# Allegro board BeagleV-FIRE_REV-A_230911.brd (continued)
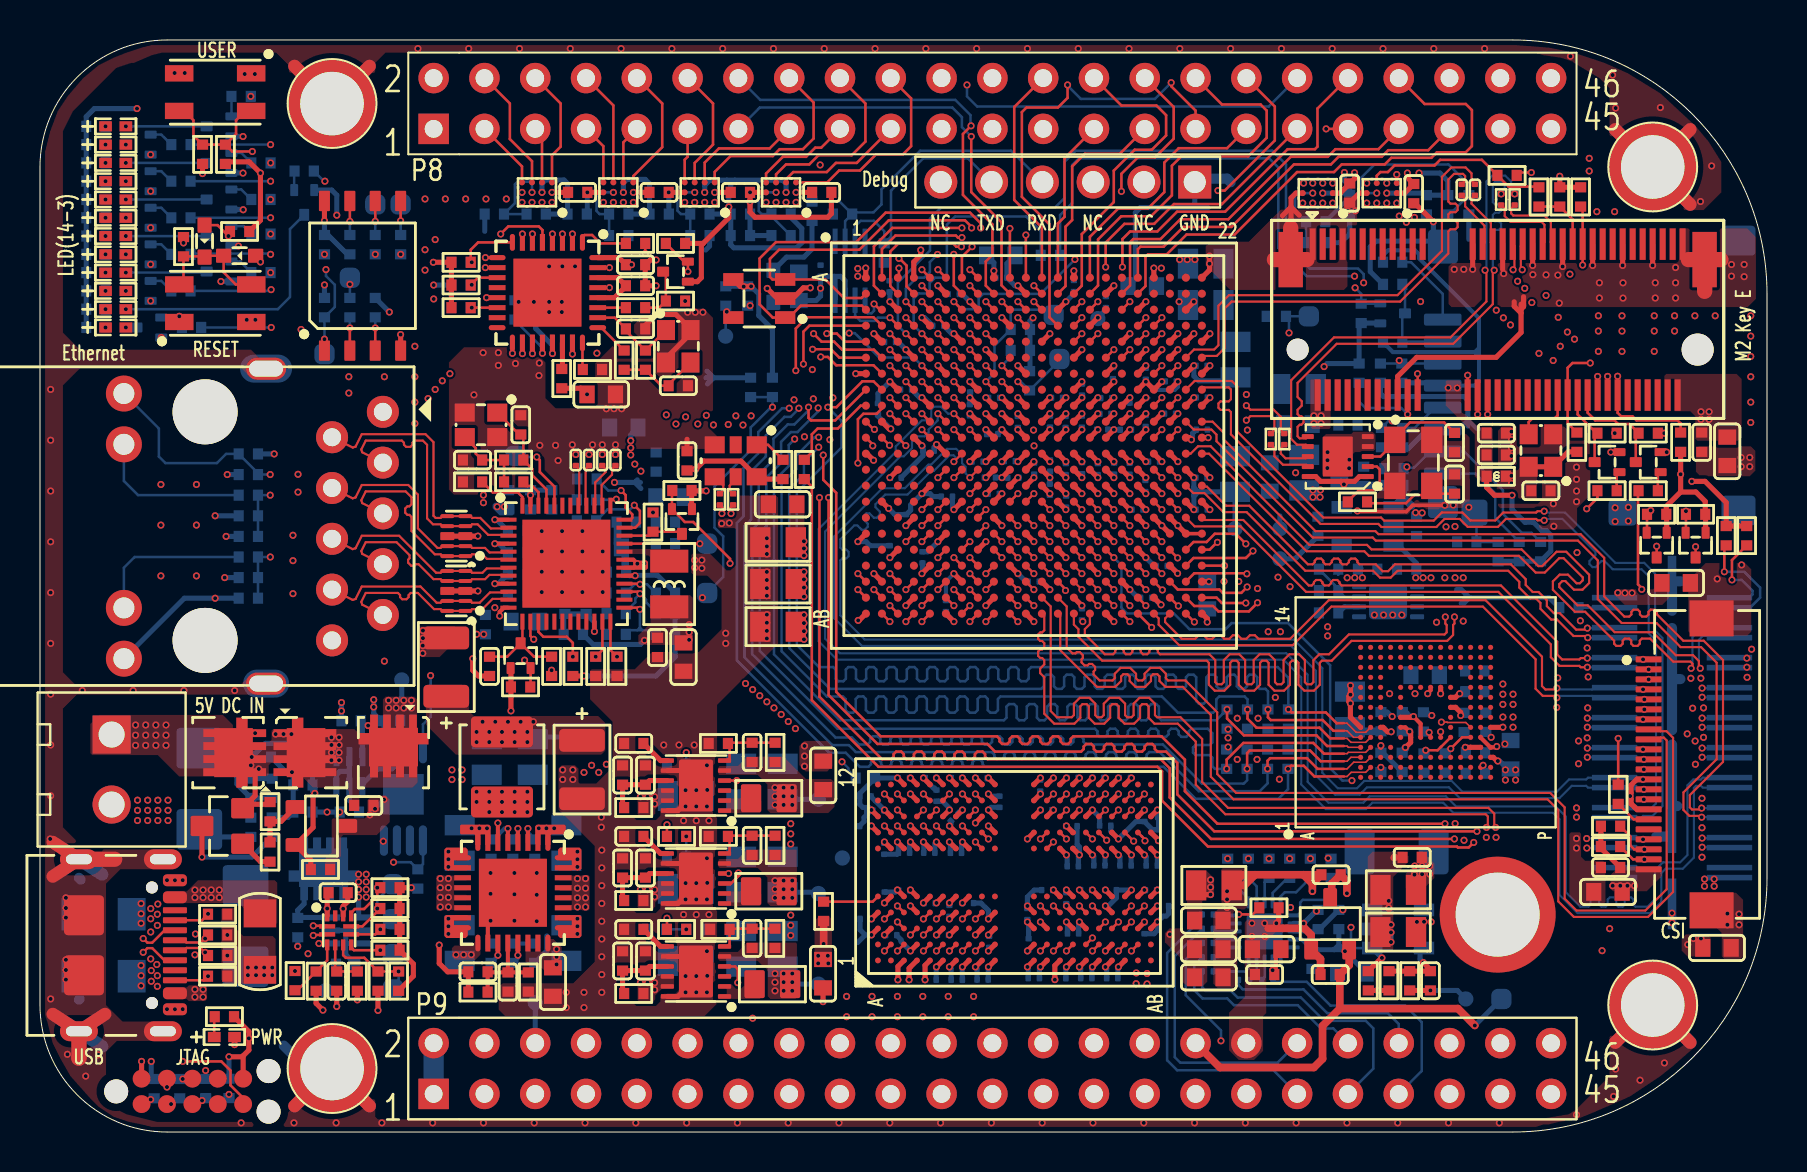
[diagram p0: board, top side]
## Routing (per net, layer and track width the routed paths; a pad name or vN(x,y) marks a point on that pad's centre or on a via; arc(x,y) is an arc through that point) (continued)
M2_PEWAKEN: length 39.7
  TOP w0.127: U1.R14 v1(52.1,31.12) ; v1(77.14,43.36) J9.55 77.14,46.18 R78.2
  L5_SIG2 w0.102: v1(77.14,43.36) 77.14,38.99 76.38,38.23 69.85,38.23 69.14,37.52 68.43,37.52 68.02,37.92 53.56,37.92 52.5,36.86 52.5,31.8 52.1,31.4 v1(52.1,31.12)
M2_REFCLK_N: length 23.5
  TOP w0.107: U38.7 63.31,34.37 62.86,34.37 62.57,34.66 62.57,37.59 64.71,39.74 70.53,39.74 72.33,41.53 72.33,43.03 v1(72.26,43.1)
  BOTTOM w0.107: v1(73.74,46.91) 73.56,47.09 73.56,47.53 73.27,47.83 72.62,47.83 72.33,47.53 72.33,43.17 v1(72.26,43.1)
M2_REFCLK_P: length 23.6
  TOP w0.107: v1(72.72,43.1) 72.65,43.03 72.65,41.4 70.67,39.42 64.84,39.42 62.89,37.46 62.89,36.76 63.09,36.55 63.09,36.32 62.89,36.12 62.89,35.9 62.99,35.8 63.08,35.8 63.18,35.69 63.18,35.48 63.08,35.37 62.99,35.37 62.89,35.26 62.89,34.8 62.99,34.69 63.31,34.69 U38.6
  BOTTOM w0.107: v1(72.72,43.1) 72.65,43.17 72.65,45.01 72.76,45.11 72.96,45.11 73.06,45.22 73.06,45.43 72.96,45.54 72.76,45.54 72.65,45.65 72.65,45.86 72.76,45.97 72.96,45.97 73.06,46.07 73.06,46.29 72.96,46.39 72.76,46.39 72.65,46.5 72.65,47.4 72.76,47.51 73.14,47.51 73.24,47.4 73.24,47.09 v1(73.07,46.91)
M2_UART_CTS: length 27.6
  TOP w0.127: U1.U14 v1(52.1,29.52) ; J9.34 v1(71.89,35.89)
  L3_SIG1 w0.102: v1(71.89,35.89) 71.89,36.21 71.76,36.35 69.57,36.35 69.19,36.73 63.19,36.73 62.76,36.31 62.76,34.56 61.35,33.15 55.46,33.15 55.46,33.14 52.73,33.14 52.49,32.91 52.49,29.91 52.1,29.52 v1(52.1,29.52)
M2_UART_RTS: length 30
  TOP w0.127: J9.36 v1(72.39,35.89) ; U1.U13 v1(51.3,29.52)
  L3_SIG1 w0.102: v1(72.39,35.89) 72.39,36.27 71.96,36.7 69.72,36.7 69.34,37.08 63.04,37.08 62.41,36.45 62.41,34.71 61.2,33.5 57.45,33.5 57.05,33.91 51.92,33.91 51.71,33.71 51.71,29.94 v1(51.3,29.52)
M2_UART_RXD: length 26.6
  TOP w0.127: J9.22 68.89,37.91 v1(68.88,37.92) ; U1.T13 v1(51.3,30.32)
  L3_SIG1 w0.102: v1(68.88,37.92) 68.88,37.64 68.68,37.44 62.89,37.44 62.05,36.6 62.05,34.85 61.06,33.86 57.6,33.86 57.2,34.26 51.26,34.26 50.9,33.91 50.9,30.99 51.3,30.59 v1(51.3,30.32)
M2_UART_TXD: length 29.1
  TOP w0.127: J9.32 v1(71.39,37.84) ; U1.R12 v1(50.5,31.12)
  L3_SIG1 w0.102: v1(71.39,37.84) 70.98,38.25 68.59,38.25 68.13,37.8 62.74,37.8 61.67,36.72 61.67,34.98 61.32,34.62 60.33,34.62 59.74,35.2 57.45,35.2 56.87,34.62 51.06,34.62 50.12,33.68 50.12,33.65 50.09,33.62 50.09,31.53 v1(50.5,31.12)
M2_UART_WAKEN: length 25.4
  TOP w0.127: U1.T15 v1(52.9,30.32) ; v1(68.39,35.89) J9.20
  L3_SIG1 w0.102: v1(68.39,35.89) 68.39,36.27 68.29,36.37 63.33,36.37 63.12,36.16 63.12,34.41 61.47,32.77 59.59,32.77 59.13,32.31 53.52,32.31 53.31,32.11 53.31,30.74 v1(52.9,30.32)
  BOTTOM w0.127: R88.2 65.96,36.53 66.28,36.21 68.08,36.21 v1(68.39,35.89)
M2_W_DISABLE1: length 31.7
  TOP w0.127: R95.1 79.91,32.04 79.91,27.39 80.1,27.2 v1(80.1,27.14) ; U1.U19 v1(56.1,29.52)
  L5_SIG2 w0.102: v1(80.1,27.14) 80.1,26.68 79.92,26.51 75.69,26.51 73.97,28.23 63.31,28.23 61.62,29.92 56.5,29.92 v1(56.1,29.52)
M2_W_DISABLE2: length 32.6
  TOP w0.127: R94.1 77.88,31.7 v1(77.34,31.17) ; U1.R15 v1(52.9,31.12)
  L5_SIG2 w0.102: v1(52.9,31.12) 53.16,31.12 53.54,31.5 53.78,31.5 54.08,31.8 54.08,33.91 54.28,34.11 58.93,34.11 63.8,29.24 74.49,29.24 74.75,28.98 v1(76.86,28.98)
  L10_SIG3 w0.102: v1(77.34,31.17) 76.86,30.68 v1(76.86,28.98)
MSS_REFCLK_IN_N: length 15.8
  TOP w0.107: v1(34.56,30.93) 34.49,31 34.49,31.19 R37.1
  TOP w0.127: U1.L8 v1(46.5,35.12)
  L3_SIG1 w0.086: v1(46.5,35.12) 46.26,34.88 46.26,34.63 45.98,34.35 45.98,34.12 45.85,33.99 45.62,33.99 45.1,33.47 44.47,33.47 44.16,33.16 42.29,33.16 41.25,32.12 34.64,32.12 34.48,31.97 34.48,31.31 34.56,31.24 v1(34.56,30.93)
MSS_REFCLK_IN_P: length 15.6
  TOP w0.107: R38.1 34.17,31.19 34.17,31 v1(34.1,30.93)
  TOP w0.127: U1.L7 v1(45.7,35.12)
  L3_SIG1 w0.086: v1(34.1,30.93) 34.1,31.24 34.17,31.31 34.17,32.1 34.5,32.44 41.12,32.44 42.16,33.48 44.03,33.48 44.34,33.78 44.97,33.78 45.94,34.76 45.94,34.88 v1(45.7,35.12)
MSS_SGMII_RX0_N: length 21.7
  TOP w0.127: U1.L6 v1(44.9,35.12)
  L10_SIG3 w0.086: v1(26.79,33.88) 26.97,34.06 26.97,35.2 27.38,35.61 30.66,35.61 31.31,34.96 35.47,34.96 35.94,35.43 40.41,35.43 40.84,35.86 41.91,35.86 42.35,36.3 44.25,36.3 44.47,36.08 44.47,35.8 44.66,35.62 44.66,35.37 v1(44.9,35.12)
MSS_SGMII_RX0_P: length 21.7
  TOP w0.127: U1.L5 v1(44.1,35.12)
  L10_SIG3 w0.086: v1(44.1,35.12) 44.34,35.37 44.34,35.49 44.28,35.55 40.97,35.55 40.54,35.12 36.07,35.12 35.6,34.65 31.18,34.65 30.53,35.3 29.85,35.3 29.77,35.21 29.77,35.01 29.68,34.92 29.51,34.92 29.42,35.01 29.42,35.21 29.34,35.3 29.16,35.3 29.08,35.21 29.08,35.01 28.99,34.92 28.82,34.92 28.73,35.01 28.73,35.21 28.64,35.3 28.47,35.3 28.39,35.21 28.39,35.01 28.3,34.92 28.13,34.92 28.04,35.01 28.04,35.21 27.95,35.3 27.51,35.3 27.28,35.07 27.28,34.06 v1(27.45,33.88)
MSS_SGMII_RX1_N: length 78.4
  TOP w0.127: U1.K7 v1(45.7,35.92)
  BOTTOM w0.107: v1(45.7,35.92) 45.41,35.92 45.06,36.27 44.7,36.27 44.57,36.13 44.57,35.71 44.44,35.59 44.1,35.59 42.79,34.28 42.79,34.01 38.94,30.16 38.94,24.54 39.86,23.62 62.18,23.62 63.07,22.74 63.07,17.38 64.3,16.15 66.31,16.15 66.62,16.47 70.17,16.47 70.67,15.96 75.66,15.96 75.98,15.64 75.98,11.86 76.89,10.95 80.52,10.95 81.08,11.51 81.08,12.95 81.29,13.17 82.15,13.17 82.7,13.72 82.7,17.2 82.81,17.31 83.06,17.31 83.15,17.22 J8.27
MSS_SGMII_RX1_P: length 78.5
  TOP w0.127: U1.K6 v1(44.9,35.92)
  BOTTOM w0.107: v1(44.9,35.92) 44.89,35.91 44.89,35.58 44.43,35.13 44.43,34.99 44.24,34.79 43.87,34.79 43.6,34.52 43.6,34.2 43.2,33.79 43.02,33.79 39.26,30.03 39.26,24.67 39.99,23.94 62.32,23.94 63.39,22.87 63.39,17.51 64.43,16.47 66.17,16.47 66.49,16.79 70.3,16.79 70.81,16.28 75.79,16.28 76.3,15.77 76.3,11.99 77.02,11.27 77.43,11.27 77.54,11.37 77.54,11.63 77.65,11.73 77.86,11.73 77.97,11.63 77.97,11.37 78.07,11.27 78.29,11.27 78.39,11.37 78.39,11.63 78.5,11.73 78.71,11.73 78.82,11.63 78.82,11.37 78.93,11.27 79.14,11.27 79.25,11.37 79.25,11.63 79.35,11.73 79.57,11.73 79.67,11.63 79.67,11.37 79.78,11.27 80.39,11.27 80.76,11.64 80.76,13.09 81.16,13.49 82.02,13.49 82.38,13.85 82.38,17.34 82.68,17.63 83.06,17.63 83.15,17.72 J8.25
MSS_SGMII_TX0_N: length 21.1
  TOP w0.127: U1.N7 v1(45.7,32.72)
  L10_SIG3 w0.086: v1(28.12,33.88) 28.29,33.71 28.29,33.42 29.71,31.99 30.76,31.99 31.23,32.46 35.27,32.46 36.72,31 39.81,31 40.36,31.56 43.01,31.56 43.77,32.32 44.19,32.32 44.56,31.96 45.19,31.96 45.46,32.23 45.46,32.48 v1(45.7,32.72)
MSS_SGMII_TX0_P: length 21
  TOP w0.127: U1.N6 v1(44.9,32.72)
  L10_SIG3 w0.086: v1(44.9,32.72) 45.14,32.48 45.14,32.36 45.06,32.27 44.69,32.27 44.32,32.64 43.64,32.64 42.88,31.88 42.57,31.88 42.48,31.96 42.48,32.15 42.4,32.23 42.23,32.23 42.14,32.15 42.14,31.96 42.05,31.88 41.88,31.88 41.79,31.96 41.79,32.15 41.71,32.23 41.53,32.23 41.45,32.15 41.45,31.96 41.36,31.88 40.23,31.88 39.68,31.32 36.86,31.32 35.4,32.78 31.1,32.78 30.63,32.31 29.84,32.31 28.6,33.55 28.6,33.71 v1(28.78,33.88)
MSS_SGMII_TX1_N: length 60.7
  TOP w0.107: U1.N8 v1(46.5,32.72)
  BOTTOM w0.107: J8.28 77.41,17.22 77.32,17.31 76.59,17.31 75.98,16.7 71,16.7 70.46,17.24 66.36,17.24 65.99,16.87 64.76,16.87 63.8,17.83 63.8,23.06 62.56,24.31 41.1,24.31 39.7,25.71 39.7,29.77 42.13,32.2 43.25,32.2 44.43,33.38 44.56,33.38 45.35,34.16 45.81,34.16 46.11,33.87 46.11,33.44 46.29,33.26 46.29,32.93 v1(46.5,32.72)
MSS_SGMII_TX1_P: length 60.4
  TOP w0.107: U1.M7 v1(45.7,33.52)
  BOTTOM w0.107: v1(45.7,33.52) 45.79,33.61 45.79,33.74 45.68,33.84 45.48,33.84 44.69,33.06 44.56,33.06 43.38,31.88 42.26,31.88 41.78,31.39 41.78,31.24 42,31.02 42,30.87 41.85,30.72 41.69,30.72 41.48,30.94 41.32,30.94 41.17,30.79 41.17,30.64 41.39,30.42 41.39,30.27 41.24,30.12 41.09,30.12 40.87,30.34 40.72,30.34 40.02,29.64 40.02,29.22 40.13,29.12 40.33,29.12 40.44,29.01 40.44,28.8 40.33,28.69 40.13,28.69 40.02,28.58 40.02,25.84 41.23,24.63 62.69,24.63 64.12,23.2 64.12,17.96 64.9,17.19 65.86,17.19 66.22,17.56 70.59,17.56 71.13,17.02 75.85,17.02 76.46,17.63 77.32,17.63 77.41,17.72 J8.26
P8_PIN3: length 18.2
  TOP w0.127: U30.D3 24.1,48.29 P8.3
  L3_SIG1 w0.102: v1(10.54,51.79) 10.54,50.62 10.87,50.29 11.84,50.29 13.26,48.87 22,48.87 22.23,49.1 P8.3
P8_PIN4: length 26.8
  TOP w0.127: P8.4 23.5,51.43 23.5,49.66 24.6,48.55 U30.C3
  L3_SIG1 w0.102: v1(11.53,49.38) 12.32,49.38 13.13,48.56 22.81,48.56 23.5,49.25 23.5,51.43 P8.4
  BOTTOM w0.127: R128.1 v1(11.53,49.38)
P8_PIN5: length 17.6
  TOP w0.127: U30.B3 25.1,49.83 P8.5
  L3_SIG1 w0.102: v1(11.53,48.46) 12.8,48.46 13.01,48.26 23.98,48.26 24.77,49.05 P8.5
P8_PIN6: length 29.1
  TOP w0.127: P8.6 26.04,51.43 26.04,49.28 25.6,48.84 U30.A3
  L3_SIG1 w0.102: P8.6 26.04,51.43 26.04,49.3 24.69,47.96 12.9,47.96 12.5,47.55 v1(11.53,47.55)
  BOTTOM w0.127: R130.1 v1(11.53,47.55)
P8_PIN7: length 21
  TOP w0.127: P8.7 28.17,49.3 U31.D3
  L3_SIG1 w0.102: P8.7 27.3,48.97 25.98,47.65 15.91,47.65 15.44,47.18 12.44,47.18 11.9,46.63 v1(11.53,46.63)
P8_PIN8: length 32.6
  TOP w0.127: P8.8 28.67,51.34 U31.C3
  L3_SIG1 w0.102: P8.8 28.55,51.46 28.55,48.56 27.33,47.35 16.05,47.35 15.52,46.82 12.63,46.82 v1(11.53,45.72)
  BOTTOM w0.127: R132.1 v1(11.53,45.72)
P8_PIN9: length 25.3
  TOP w0.127: U31.B3 29.17,49.49 P8.9
  L5_SIG2 w0.102: v1(11.53,44.91) 12.07,45.44 12.07,47.6 13.34,48.87 29.59,48.87 29.84,49.12 P8.9
P8_PIN10: length 37.7
  TOP w0.127: P8.10 31.12,51.43 31.12,49.25 29.67,47.81 U31.A3
  L5_SIG2 w0.102: v1(11.53,43.89) 12.37,44.73 12.37,47.47 13.46,48.56 30.38,48.56 31.12,49.3 31.12,51.43 P8.10
  BOTTOM w0.127: R134.1 7.57,43.93 11.49,43.93 v1(11.53,43.89)
P8_PIN11: length 29.1
  TOP w0.127: U32.D3 32.24,48.62 32.39,48.77 P8.11
  L5_SIG2 w0.102: P8.11 32.39,49 31.65,48.26 13.59,48.26 12.67,47.35 12.67,44.12 v1(11.53,42.98)
P8_PIN12: length 41.3
  TOP w0.127: U32.C3 32.74,48.46 33.66,49.38 33.66,51.43 P8.12
  L5_SIG2 w0.102: v1(11.56,42.13) 12.98,43.55 12.98,47.22 13.71,47.96 32.33,47.96 33.66,49.28 33.66,51.43 P8.12
  BOTTOM w0.127: R136.1 11.49,42.06 11.55,42.13 v1(11.56,42.13)
P8_PIN13: length 44.8
  TOP w0.127: U1.B10 48.08,42.34 48.08,45.49 46.57,47.01 v1(46.57,49.78)
  L5_SIG2 w0.102: P8.13 34.92,49.12 33.45,47.65 14.96,47.65 14.86,47.55 v1(14.25,47.55)
  BOTTOM w0.127: v1(46.57,49.78) 46.1,50.25 46.1,50.75 45.62,51.23 35.99,51.23 P8.13 ; R137.1 14.2,47.55 v1(14.25,47.55)
P8_PIN14: length 60.7
  TOP w0.127: U1.B9 47.29,42.33 47.29,43.54 47.62,43.87 47.62,45.39 46.15,46.86 46.15,49.91 v1(46.56,50.32)
  L5_SIG2 w0.102: P8.14 36.2,51.43 36.2,49.4 34.14,47.35 16.05,47.35 15.52,46.82 14.02,46.82 13.59,46.39 13.59,42.04 11.79,40.23 v1(11.56,40.23)
  BOTTOM w0.127: R127.1 v1(11.56,40.23) ; v1(46.56,50.32) 46.53,50.34 46.53,50.85 45.77,51.61 36.02,51.61 P8.14
P8_PIN15: length 5.9
  TOP w0.127: P8.15 36.49,49.19 33.95,49.19 33.24,48.48 U32.B3
P8_PIN16: length 9.7
  TOP w0.127: U32.A3 33.74,48.01 34.53,48.81 36.65,48.81 36.99,49.15 38.15,49.15 38.68,49.68 38.68,51.49 P8.16
P8_PIN17: length 5.1
  TOP w0.127: U34.D3 36.31,47.93 37.15,48.77 38.31,48.77 38.77,49.23 39.07,49.23 P8.17
P8_PIN18: length 9.2
  TOP w0.127: U34.C3 36.81,47.89 37.3,48.39 38.47,48.39 38.92,48.84 40.59,48.84 41.28,49.53 41.28,51.43 P8.18
P8_PIN19: length 6.4
  TOP w0.127: U34.B3 37.31,47.65 37.67,48.01 39.34,48.01 39.8,48.46 40.84,48.46 P8.19
P8_PIN20: length 10.3
  TOP w0.127: U34.A3 39.37,47.49 39.96,48.08 41,48.08 41.81,48.89 43.15,48.89 43.56,49.3 43.56,51.69 P8.20
P8_PIN21: length 22
  L5_SIG2 w0.102: v1(63.64,47.45) 63.64,47.84 63.55,47.93 62.2,47.93 61.42,48.71 61.42,50.69 60.84,51.27 46.19,51.27 P8.21
P8_PIN22: length 22.6
  L5_SIG2 w0.102: v1(64.14,47.45) 64.14,47.84 63.7,48.29 62.35,48.29 61.77,48.86 61.77,50.84 60.99,51.63 46.16,51.63 P8.22
P8_PIN23: length 21.4
  L5_SIG2 w0.102: P8.23 48.56,49.23 59.74,49.23 62.89,46.07 64.8,46.07 65.03,46.29 65.03,47.07 65.41,47.45 v1(66.34,47.45)
P8_PIN24: length 20.6
  L5_SIG2 w0.102: v1(64.64,47.45) 64.64,47.85 63.86,48.64 62.49,48.64 62.13,49.01 62.13,50.99 61.14,51.98 48.35,51.98 P8.24
P8_PIN25: length 15.9
  L5_SIG2 w0.102: v1(63.19,47.45) 62.17,47.45 61.06,48.56 61.06,50.55 60.69,50.91 50.91,50.91 P8.25
PG_1V0: length 16.5
  TOP w0.127: R151.1 v1(31.35,10.69) ; R102.1 v1(31.35,15.37)
  TOP w0.203: 22.9,14.48 v1(22.9,15.45)
  L5_SIG2 w0.203: 31.11,14.74 23.05,14.74 22.9,14.9 v1(22.9,15.45) ; 31.11,14.74 31.35,14.5 ; 31.11,14.74 31.35,14.99 ; 31.11,14.74 31.34,14.74 31.35,14.76 ; 31.35,14.5 v1(31.35,10.69) ; 31.35,14.5 31.35,14.76 ; 31.35,14.76 31.35,14.99 ; 31.35,14.99 v1(31.35,15.37)
PG_1V8: length 10.3
  TOP w0.127: U18.3 34.55,12.43 34.92,12.8 v1(34.92,12.95) ; U19.4 v1(34.84,17.58)
  L5_SIG2 w0.102: v1(34.92,12.95) 34.92,17.49 v1(34.84,17.58)
  L10_SIG3 w0.102: v1(34.84,17.58) 33.07,17.58 32.32,18.33 v1(32.32,18.97)
  BOTTOM w0.127: v1(32.32,18.97) R150.2
PHY_DVDD3V3: length 50.5
  TOP w0.203: U28.30 29.67,28.22 v1(29.87,28.42) 29.67,28.62 U28.31
  TOP w0.254: R216.1 v1(25.58,23.09)
  L5_SIG2 w0.254: v1(30.23,28.42) v1(29.87,28.42) 29.54,28.42 29.29,28.17 29.29,23.52 29.03,23.27 25.76,23.27 v1(25.58,23.09)
  L10_SIG3 w0.254: v1(8.76,26.69) v1(8.76,30.82) 8.76,33.19 9.48,33.91 v1(11.71,33.91) 12.17,33.45 15.29,33.45 16.39,34.55 18.31,34.55 19.53,33.32 25.13,33.32 25.99,32.46 28.7,32.46 v1(28.73,32.49)
  BOTTOM w0.254: 29.74,32.49 30.02,32.49 ; 29.74,32.49 29.87,32.61 ; 29.74,32.49 30.05,32.18 ; 29.74,32.49 v1(28.73,32.49) ; R176.1 v1(8.76,26.69) 7.22,26.69 J4.14 ; R200.1 v1(8.76,30.82) ; R199.1 v1(11.71,33.91)
  vias: v1(30.65,30.98)
PHY_DVDD_RG: length 14.8
  TOP w0.203: U28.29 v1(29.76,27.82)
  TOP w0.254: R219.1 v1(27.2,22.81)
  BOTTOM w0.254: v1(27.2,22.81) R189.1 R191.1 30.81,22.81 31.76,23.76 R187.1 R181.1 R180.1 30.87,27.84 29.78,27.84 v1(29.76,27.82) 29.48,27.82 C292.1
  BOTTOM w0.381: R186.1 28.88,30.45 28.88,29.43 C291.1 29.26,29.05 29.26,28.04 C292.1
PHY_INTN: length 22.9
  TOP w0.127: R217.2 31.6,32.06 Q24.2 32.25,30.51 32.66,30.51 34.51,28.66 v1(34.51,28.44) ; U1.V12 v1(50.5,28.72)
  L3_SIG1 w0.102: v1(34.51,28.44) 39.13,28.44 40.61,29.92 49,29.92 49.26,29.67 49.26,29.43 49.54,29.14 49.85,29.14 50.27,28.72 v1(50.5,28.72)
PHY_LED0/PHYAD0: length 27.8
  TOP w0.127: U28.35 29.76,30.22 30,30.45 30,31.06 v1(29.72,31.34)
  L10_SIG3 w0.102: v1(11.52,28.75) 11.52,30.38 11.71,30.58 15.47,30.58 16.74,31.85 18.72,31.85 19.1,32.23 24.67,32.23 25.65,31.24 29.62,31.24 v1(29.72,31.34)
  BOTTOM w0.127: C297.1 28.38,31.14 29.51,31.14 v1(29.72,31.34) ; R176.2 R179.1 R232.1 v1(11.52,28.75)
PHY_LED1: length 33.5
  TOP w0.127: U28.36 29.53,30.62 29.62,30.71 29.62,30.89 29.29,31.22 29.29,31.85 v1(29.06,32.08)
  L10_SIG3 w0.102: v1(11.51,32.88) 11.87,32.52 11.87,31.54 12.12,31.29 15.17,31.29 16.44,32.56 18.43,32.56 18.8,32.94 24.96,32.94 25.82,32.08 v1(29.06,32.08)
  BOTTOM w0.127: v1(29.06,32.08) 28.41,32.08 C296.1 ; v1(11.51,32.88) R222.1 10.9,32.94 R199.2 9.3,33.91 8.85,33.45 6.27,33.45 5.94,33.78 5.94,35.18 J4.11
PHY_LED2: length 23.4
  TOP w0.127: U28.37 28.52,31.52 28.65,31.64 v1(28.82,31.64)
  L10_SIG3 w0.102: v1(28.82,31.64) 25.75,31.64 24.81,32.58 18.95,32.58 18.57,32.2 16.59,32.2 15.32,30.93 11.67,30.93 11.51,31.09 v1(11.51,31.85)
  BOTTOM w0.127: R223.1 R200.2 R233.1 v1(11.51,31.85) ; v1(28.82,31.64) 28.79,31.62 C295.1
PHY_MDC: length 40.6
  TOP w0.127: U1.A3 42.95,42.77 v1(42.95,43.2) ; U28.14 24.52,24.8 v1(24.69,24.64)
  L5_SIG2 w0.102: v1(24.69,24.64) 23.09,24.64 21.54,26.19 21.54,32.81 25.02,36.3 27.37,36.3 28.2,37.13 28.2,41.31 29.95,43.05 31.52,43.05 32.39,43.92 41.78,43.92 42.5,43.2 v1(42.95,43.2)
PHY_MDIO: length 39.5
  TOP w0.127: U28.15 24.92,25.01 25.17,24.77 26.34,24.77 26.64,24.46 v1(26.64,23.77) ; U1.E3 v1(42.5,39.92)
  L3_SIG1 w0.102: v1(35.28,22.43) 35.17,22.32 27.11,22.32 26.64,22.78 v1(26.64,23.77)
  L5_SIG2 w0.102: v1(35.28,22.43) 35.28,23.01 36.72,24.44 36.72,30.29 36.49,30.52 36.49,32.01 33.68,34.82 v1(33.68,35.36)
  L10_SIG3 w0.102: v1(42.5,39.92) 42.21,39.92 41.81,39.52 38.37,39.52 36.54,37.69 35.3,37.69 33.68,36.07 v1(33.68,35.36)
PHY_OUT: length 1.6
  TOP w0.127: U28.46 24.92,32 24.61,32.31 24.37,32.31 R182.1
PHY_RSTN: length 51.5
  TOP w0.127: U1.U18 v1(55.3,29.52) ; v1(24.23,23.6) 24.53,23.3 Q25.2 24.53,22.27 R218.2
  L5_SIG2 w0.102: v1(24.23,23.6) 24.23,22.33 24.79,21.77 29.42,21.77 30.62,22.97 30.62,26.2 30.71,26.29 30.71,30.43 30.3,30.84 30.3,32.8 v1(30.05,33.05)
  L10_SIG3 w0.102: v1(30.05,33.05) 30.6,33.6 36.23,33.6 37.19,32.64 41.88,32.64 42.79,33.55 45.16,33.55 45.54,33.93 49.87,33.93 50.07,34.14 54.53,34.14 54.88,33.79 54.88,29.94 v1(55.3,29.52)
PHY_SGMII_SIN: length 2.3
  TOP w0.107: C86.2 28.29,33.15 28.29,33.01 27.76,32.48 27.76,31.36 U28.39
PHY_SGMII_SIP: length 2.3
  TOP w0.107: U28.38 28.08,31.36 28.08,32.35 28.61,32.87 28.61,33.15 C85.2
PHY_SGMII_SON: length 2.1
  TOP w0.107: C88.2 26.96,33.15 26.96,31.36 U28.41
PHY_SGMII_SOP: length 2.1
  TOP w0.107: U28.40 27.28,31.36 27.28,33.15 C87.2
PHY_TDA_N: length 13.5
  TOP w0.107: J4.3 16.11,33.99 16.07,34.13 16.29,34.58 18.09,34.58 18.2,34.47 18.2,34.37 18.31,34.26 18.52,34.26 18.63,34.37 18.63,34.47 18.73,34.58 19.15,34.58 19.36,34.37 19.36,30.68 19.65,30.39 20.04,30.39 20.13,30.3 D2.7 D2.4 21.51,30.3 21.6,30.39 21.88,30.39 22.41,29.86 23.38,29.86 U28.3
PHY_TDA_P: length 13.5
  TOP w0.107: U28.2 23.38,30.18 22.55,30.18 22.02,30.71 21.6,30.71 21.51,30.8 D2.5 D2.6 20.13,30.8 20.04,30.71 19.78,30.71 19.68,30.82 19.68,34.5 19.28,34.9 16.09,34.9 15.78,34.28 15.78,34.28 15.64,34.23 J4.2
PHY_TDB_N: length 11.8
  TOP w0.107: U28.6 23.38,28.66 22.35,28.66 22.12,28.89 21.6,28.89 21.51,28.8 D2.1 D2.10 20.13,28.8 20.04,28.89 19.74,28.89 18.58,30.06 18.58,30.76 18.47,30.86 18.37,30.86 18.26,30.97 18.26,31.18 18.37,31.29 18.47,31.29 18.58,31.4 18.58,31.74 18.28,32.04 16.29,32.04 16.07,31.59 16.11,31.45 J4.5
PHY_TDB_P: length 11.8
  TOP w0.107: J4.4 15.64,31.69 15.78,31.74 15.78,31.74 16.09,32.36 18.41,32.36 18.9,31.87 18.9,30.19 19.87,29.21 20.04,29.21 20.13,29.3 D2.9 D2.2 21.51,29.3 21.6,29.21 22.25,29.21 22.48,28.98 23.38,28.98 U28.5
PHY_TDC_N: length 10.3
  TOP w0.107: U28.8 23.38,27.86 22.47,27.86 22.26,27.65 21.6,27.65 21.51,27.56 D1.4 D1.7 20.13,27.56 20.04,27.65 19.68,27.65 18.93,28.39 18.78,28.39 18.71,28.32 18.56,28.32 18.41,28.47 18.41,28.62 18.48,28.69 18.48,28.84 17.83,29.5 16.29,29.5 16.07,29.05 16.11,28.91 J4.7
PHY_TDC_P: length 10.3
  TOP w0.107: J4.6 15.64,29.15 15.78,29.2 15.78,29.2 16.09,29.82 17.96,29.82 19.81,27.97 20.04,27.97 20.13,28.06 D1.6 D1.5 21.51,28.06 21.6,27.97 22.12,27.97 22.34,28.18 23.38,28.18 U28.7
PHY_TDD_N: length 10
  TOP w0.107: U28.11 23.38,26.66 22.63,26.66 22.12,26.15 21.6,26.15 21.51,26.06 D1.1 D1.10 20.13,26.06 20.04,26.15 19.7,26.15 18.89,26.96 18.54,26.96 18.43,26.85 18.43,26.75 18.33,26.64 18.11,26.64 18.01,26.75 18.01,26.85 17.9,26.96 16.29,26.96 16.07,26.51 16.11,26.37 J4.9
PHY_TDD_P: length 10
  TOP w0.107: U28.10 23.38,26.98 22.5,26.98 21.99,26.47 21.6,26.47 21.51,26.56 D1.2 D1.9 20.13,26.56 20.04,26.47 19.84,26.47 19.03,27.28 16.09,27.28 15.78,26.66 15.78,26.66 15.64,26.61 J4.8
PHY_VDDIO: length 3.7
  TOP w0.254: C280.1 32.39,24.67
  BOTTOM w0.254: v1(30.23,24.59) 30.02,24.38 27.66,24.38 R221.1
  BOTTOM w0.381: R234.2 23.37,31.19
  vias: v1(22.86,31.27) v1(23.22,31.27) v1(32.46,25.37) v1(32.46,24.99) v1(32.46,24.61)
PHY_XI: length 5.7
  TOP w0.127: U28.45 25.32,32.14 24.61,32.85 24.61,33.16 R34.1 24.17,34.76 C95.1 23.96,34.88 X1.1
PHYINT: length 3
  TOP w0.127: Q24.3 31.99,30.02 R215.2 30.46,29.82 U28.34
PHYRST: length 4.8
  TOP w0.127: C298.1 23.36,23.77 Q25.3 ; Q25.3 24.7,23.77 R216.2 ; Q25.3 24.12,24.53 U28.13
PWDN: length 1.8
  TOP w0.127: R265.1 79.69,15.63 J7.17
RX_CTRL/PHYAD2: length 3.4
  TOP w0.127: U28.27 29.9,27.02 v1(30.01,26.92)
  BOTTOM w0.127: R181.2 30.79,26 30.3,26.49 30.3,26.62 v1(30.01,26.92) 29.77,26.68 29.77,26.49 29.3,26.02 R177.1
RXC/PHYAD1: length 2.7
  TOP w0.127: v1(30,27.39) 29.98,27.42 U28.28
  BOTTOM w0.127: R178.1 29.73,27.39 v1(30,27.39) 30.36,27.39 R180.2
RXD1/CFG_MODE0: length 3.8
  TOP w0.127: U28.25 29.91,26.22 v1(30,26.14)
  BOTTOM w0.127: 30,25.22 v1(30,26.14) ; 30,25.22 30.12,25.1 ; 30,25.22 29.87,25.1 ; 29.87,25.1 30.12,25.1 ; 29.87,25.1 29.5,25.1 R190.1 ; 30.12,25.1 30.59,25.1 R187.2
RXD2/CFG_MODE1: length 1.9
  TOP w0.127: v1(28.85,23.77) 28.52,24.1 U28.24
RXD3/CFG_MODE2: length 1.9
  TOP w0.127: U28.23 28.12,24.11 v1(27.79,23.77)
SD_3V3: length 28.2
  TOP w0.254: FB3.2 72.34,32.24 72.73,31.84 v1(73.61,31.84)
  BOTTOM w0.127: v1(70.42,37.22) 70.46,37.25 70.46,37.33
  BOTTOM w0.203: 71.96,38.8 71.96,37.54 71.74,37.33 J2.4 ; 71.96,38.8 71.75,39 ; 71.96,38.8 71.96,39.19 ; R209.1 67.65,39 71.75,39 ; 71.75,39 71.95,39.19 71.96,39.19 ; 71.96,39.19 71.96,40.69 68.96,43.69 68.96,43.89 68.76,44.09 67.41,44.09 67.16,43.84 R167.1
  BOTTOM w0.254: R162.1 70.01,37.46 J2.4 ; R161.1 R165.1 R168.1 75.54,29.05 75.54,29.86 75.33,30.07 75.1,30.07 74.68,30.49 74.26,30.49 73.61,31.14 v1(73.61,31.84)
  vias: v1(70.87,37.21)
SD_DET: length 45.1
  TOP w0.127: U1.C7 v1(45.7,41.52)
  L5_SIG2 w0.102: v1(72.82,41.1) 70.14,41.1 69.31,41.94 68.07,41.94 67.64,41.5 65.88,41.5 64.53,42.85 57.04,42.85 56.26,43.64 v1(51.75,43.64)
  L10_SIG3 w0.102: v1(72.82,41.1) 72.82,37.45 72.42,37.05 71.44,37.05 70.79,36.39 70.79,34.88 71.45,34.21 v1(71.45,31.24)
  BOTTOM w0.127: v1(45.7,41.52) 46.08,41.15 46.79,41.15 46.94,41.3 46.94,41.69 47.16,41.91 50.03,41.91 v1(51.75,43.64) ; R161.2 71.84,29.51 D13.2 71.83,30.88 J2.9 71.69,30.98 71.45,31.22 v1(71.45,31.24)
SDCARD_CS: length 26.4
  TOP w0.127: U1.H5 v1(44.1,37.52)
  L3_SIG1 w0.102: v1(44.1,37.52) 44.5,37.92 51.69,37.92 54.43,40.67 54.43,40.97 54.89,41.43 54.89,41.63 55.48,42.22 v1(65.76,42.22)
  BOTTOM w0.127: v1(65.76,42.22) 66.07,41.91 R210.2 67,41.42 Q27.2
SPI_EN: length 3.5
  TOP w0.127: U1.H11 v1(48.9,37.52)
  BOTTOM w0.127: v1(48.9,37.52) 49.04,37.52 R24.2 50.98,38.58 TP1.1
SPI_MISO: length 40.1
  TOP w0.127: U1.H10 v1(48.1,37.52)
  L3_SIG1 w0.102: v1(15.5,42.39) 17.75,42.39 24.49,35.66 30.58,35.66 31.51,34.73 33.74,34.73 34.98,33.49 40.11,33.49 41.36,34.75 43.13,34.75 43.92,35.54 44.26,35.54 44.48,35.76 44.48,36.08 44.7,36.3 47.58,36.3 47.74,36.47 47.74,37.17 v1(48.1,37.52)
  BOTTOM w0.127: R21.2 v1(15.5,42.39) TP4.1
SPI_MODE: length 6.9
  TOP w0.127: U1.H9 v1(47.3,37.52)
  BOTTOM w0.127: v1(47.3,37.52) 47.73,37.95 47.73,39.32 R23.2 48.54,41 48.67,41.12 50.43,41.12 TP2.1
SPI_MOSI: length 2.5
  TOP w0.127: 18.03,46.56 v1(18.03,45.57)
  BOTTOM w0.127: R19.2 18.03,44.86 v1(18.03,45.57) 18.03,46.39 TP3.1
SPI_SCK: length 2.6
  TOP w0.127: U4.6 v1(16.76,45.54)
  BOTTOM w0.127: R20.2 16.76,44.86 v1(16.76,45.54) 16.77,45.54 TP6.1
SPI_SS: length 42.1
  TOP w0.127: U1.G7 v1(45.7,38.32) ; U4.1 v1(14.22,39.65)
  L3_SIG1 w0.102: v1(14.3,43.13) 14.33,43.1 18.44,43.1 18.75,43.41 18.75,44.41 19.73,45.39 33.73,45.39 38.11,41.02 40.77,41.02 41.45,40.34 43.43,40.34 43.68,40.08 43.68,39.75 43.89,39.54 44.99,39.54 45.29,39.24 45.29,38.73 v1(45.7,38.32)
  BOTTOM w0.127: v1(14.3,43.13) 14.3,42.81 14.74,42.37 14.74,41.26 R27.2 14.22,40.74 v1(14.22,39.65) 14.23,39.65 TP5.1
SYS_5V: length 11.4
  TOP w0.127: U8.21 v1(25.62,38.93)
  TOP w0.381: U16.3 64.59,11.79 64.59,12.42 C120.1 65.35,12.55 v1(65.35,11.94)
  BOTTOM w0.127: 78.92,27.06 78.92,26.9 J8.2 79.06,26.72 79.26,26.92 79.26,26.96 79.27,26.97 79.27,27.05
  BOTTOM w0.254: C114.1 24.79,40.18 25.62,39.34 v1(25.62,38.93) ; Q18.4 16.12,17.39 16.89,18.16 17.6,18.16 17.85,18.41 U10.2 ; v1(15.93,11.75) 15.93,10.83 Q2.4 ; TP17.1 18.09,21.69 v1(18.19,21.59)
  vias: v1(15.93,12.89) v1(15.93,12.51) v1(15.93,12.13) v1(16.31,12.89) v1(16.31,12.51) v1(16.31,12.13) v1(16.31,11.75) v1(17.43,21.59) v1(17.43,21.21) v1(17.81,21.59) v1(17.81,21.21) v1(18.19,21.21) v1(18.57,21.59) v1(18.57,21.21) v1(20.8,8.86) v1(21.18,8.86) v1(21.58,15.19) v1(21.56,8.86) v1(21.97,15.19) v1(22.35,15.19) v1(24.94,15.19) v1(25.32,15.19) v1(25.71,15.19) v1(25.83,9.14) v1(25.83,8.76) v1(25.83,8.38) v1(30.02,16.76) v1(30.02,12.12) v1(30.02,7.47) v1(30.38,16.76) v1(30.38,12.12) v1(30.38,7.47) v1(30.73,16.76) v1(30.73,16.41) v1(30.73,12.12) v1(30.73,11.76) v1(30.73,7.47) v1(30.73,7.11) v1(68.85,10.51) v1(69.21,10.52) v1(69.57,10.51) v1(78.9,26.97) v1(79.26,26.95) v1(79.61,26.95)
SYS_RSTN: length 80.1
  TOP w0.127: U1.H7 v1(45.7,37.52) ; v1(11.02,43.51) 10.78,43.75 D16.1
  L3_SIG1 w0.102: v1(36.63,36.25) 30.05,36.25 26.82,39.47 21.18,39.47 17.9,42.75 13.92,42.75 13.16,43.51 v1(11.02,43.51)
  L5_SIG2 w0.102: v1(45.7,37.52) 45.32,37.9 45.32,38.46 45.06,38.71 40.32,38.71 38.92,37.31 37.69,37.31 v1(36.63,36.25) ; v1(33.12,26.72) 33.12,21.3 34.57,19.85 34.57,18.31 34.13,17.87 34.13,13.8 33.7,13.37 33.7,12.62 34.09,12.23 34.09,6.24 33.28,5.44 30.84,5.44 P9.10
  BOTTOM w0.127: v1(33.12,26.72) 33.13,26.72 TP7.1 34.16,27.75 34.16,29.79 33.73,30.23 33.73,32.29 35.53,34.09 35.53,35.23 36.55,36.25 v1(36.63,36.25) R28.2 C226.1
UART0_RXD: length 3.3
  TOP w0.127: U1.D3 v1(42.5,40.72)
  BOTTOM w0.127: U21.6 40.76,40.83 41.02,40.56 41.74,40.56 41.9,40.72 v1(42.5,40.72)
UART0_TXD: length 1.9
  TOP w0.127: U1.C2 42,41.12 41.71,41.41 v1(41.71,41.41)
  BOTTOM w0.127: U21.5 41.26,41.07 41.39,40.94 41.58,40.94 41.71,41.07 v1(41.71,41.41)
USB0_CC1: length 8
  TOP w0.127: v1(13.67,10.31) 14.33,10.31 U9.1 ; v1(8.4,10.91) D7.2 8.1,10.59 J5.A5
  L3_SIG1 w0.102: v1(8.4,10.91) 10.37,10.91 10.97,10.31 v1(13.67,10.31)
USB0_CC2: length 8.6
  TOP w0.127: U9.2 14.33,9.86 13.69,9.86 v1(13.67,9.83) ; v1(8.4,7.79) 8.2,7.59 J5.B5
  L3_SIG1 w0.102: v1(8.4,7.79) 9,7.79 11.04,9.83 v1(13.67,9.83)
USB0_CLK: length 18.7
  TOP w0.127: U1.G2 41.68,38.34 39.81,38.34 39.39,38.76 v1(39.04,38.76) ; R48.1 v1(30.26,43.93)
  L3_SIG1 w0.102: v1(39.04,38.76) 39.04,39.01 39.78,39.75 39.78,40.11 39.6,40.28 31.81,40.28 31.5,40.59 31.5,43.74 31.12,44.12 30.45,44.12 v1(30.26,43.93)
USB0_CPEN: length 22.1
  TOP w0.127: U8.17 v1(23.62,38.94)
  L5_SIG2 w0.102: v1(23.62,38.94) 23.39,38.71 23.39,37.99 22.49,37.08 22.49,37.07 19.53,34.11 v1(19.53,22.82)
  BOTTOM w0.127: v1(19.53,22.82) 19.53,20.77 19.15,20.39 U10.4
USB0_DATA0: length 23.3
  TOP w0.127: U8.3 v1(26.13,44.91) ; v1(38.68,39.92) 39.08,39.52 39.71,39.52 40.11,39.12 41.7,39.12 U1.F2
  L3_SIG1 w0.102: v1(38.68,39.92) 31.66,39.92 31.14,40.44 31.14,41.27 29.99,42.43 29.99,42.57 30.53,43.11 30.53,43.26 30.39,43.4 30.24,43.4 29.7,42.86 29.56,42.86 29.21,43.21 29.21,43.61 28.77,44.04 28.27,44.04 28.17,44.15 28.17,44.45 28.07,44.55 27.86,44.55 27.76,44.45 27.76,44.15 27.66,44.04 27.46,44.04 27.36,44.15 27.36,44.45 27.25,44.55 27.05,44.55 26.95,44.45 26.95,44.15 26.85,44.04 26.44,44.04 26.13,44.36 v1(26.13,44.91)
USB0_DATA1: length 22.7
  TOP w0.127: U8.4 v1(25.62,44.91) ; v1(39.34,39.93) 39.84,39.93 40.25,39.52 U1.E1
  L3_SIG1 w0.102: v1(25.62,44.91) 25.62,44.05 25.98,43.69 28.63,43.69 28.85,43.46 28.85,41.97 29.14,41.68 29.29,41.68 29.69,42.08 29.83,42.08 29.98,41.94 29.98,41.79 29.57,41.39 29.57,41.25 29.72,41.1 29.86,41.1 30.26,41.51 30.41,41.51 30.55,41.36 30.55,41.22 30.15,40.82 30.15,40.67 31.3,39.52 38.94,39.52 v1(39.34,39.93)
